# Allegro board BeagleBone_Green_v1.brd (continued)
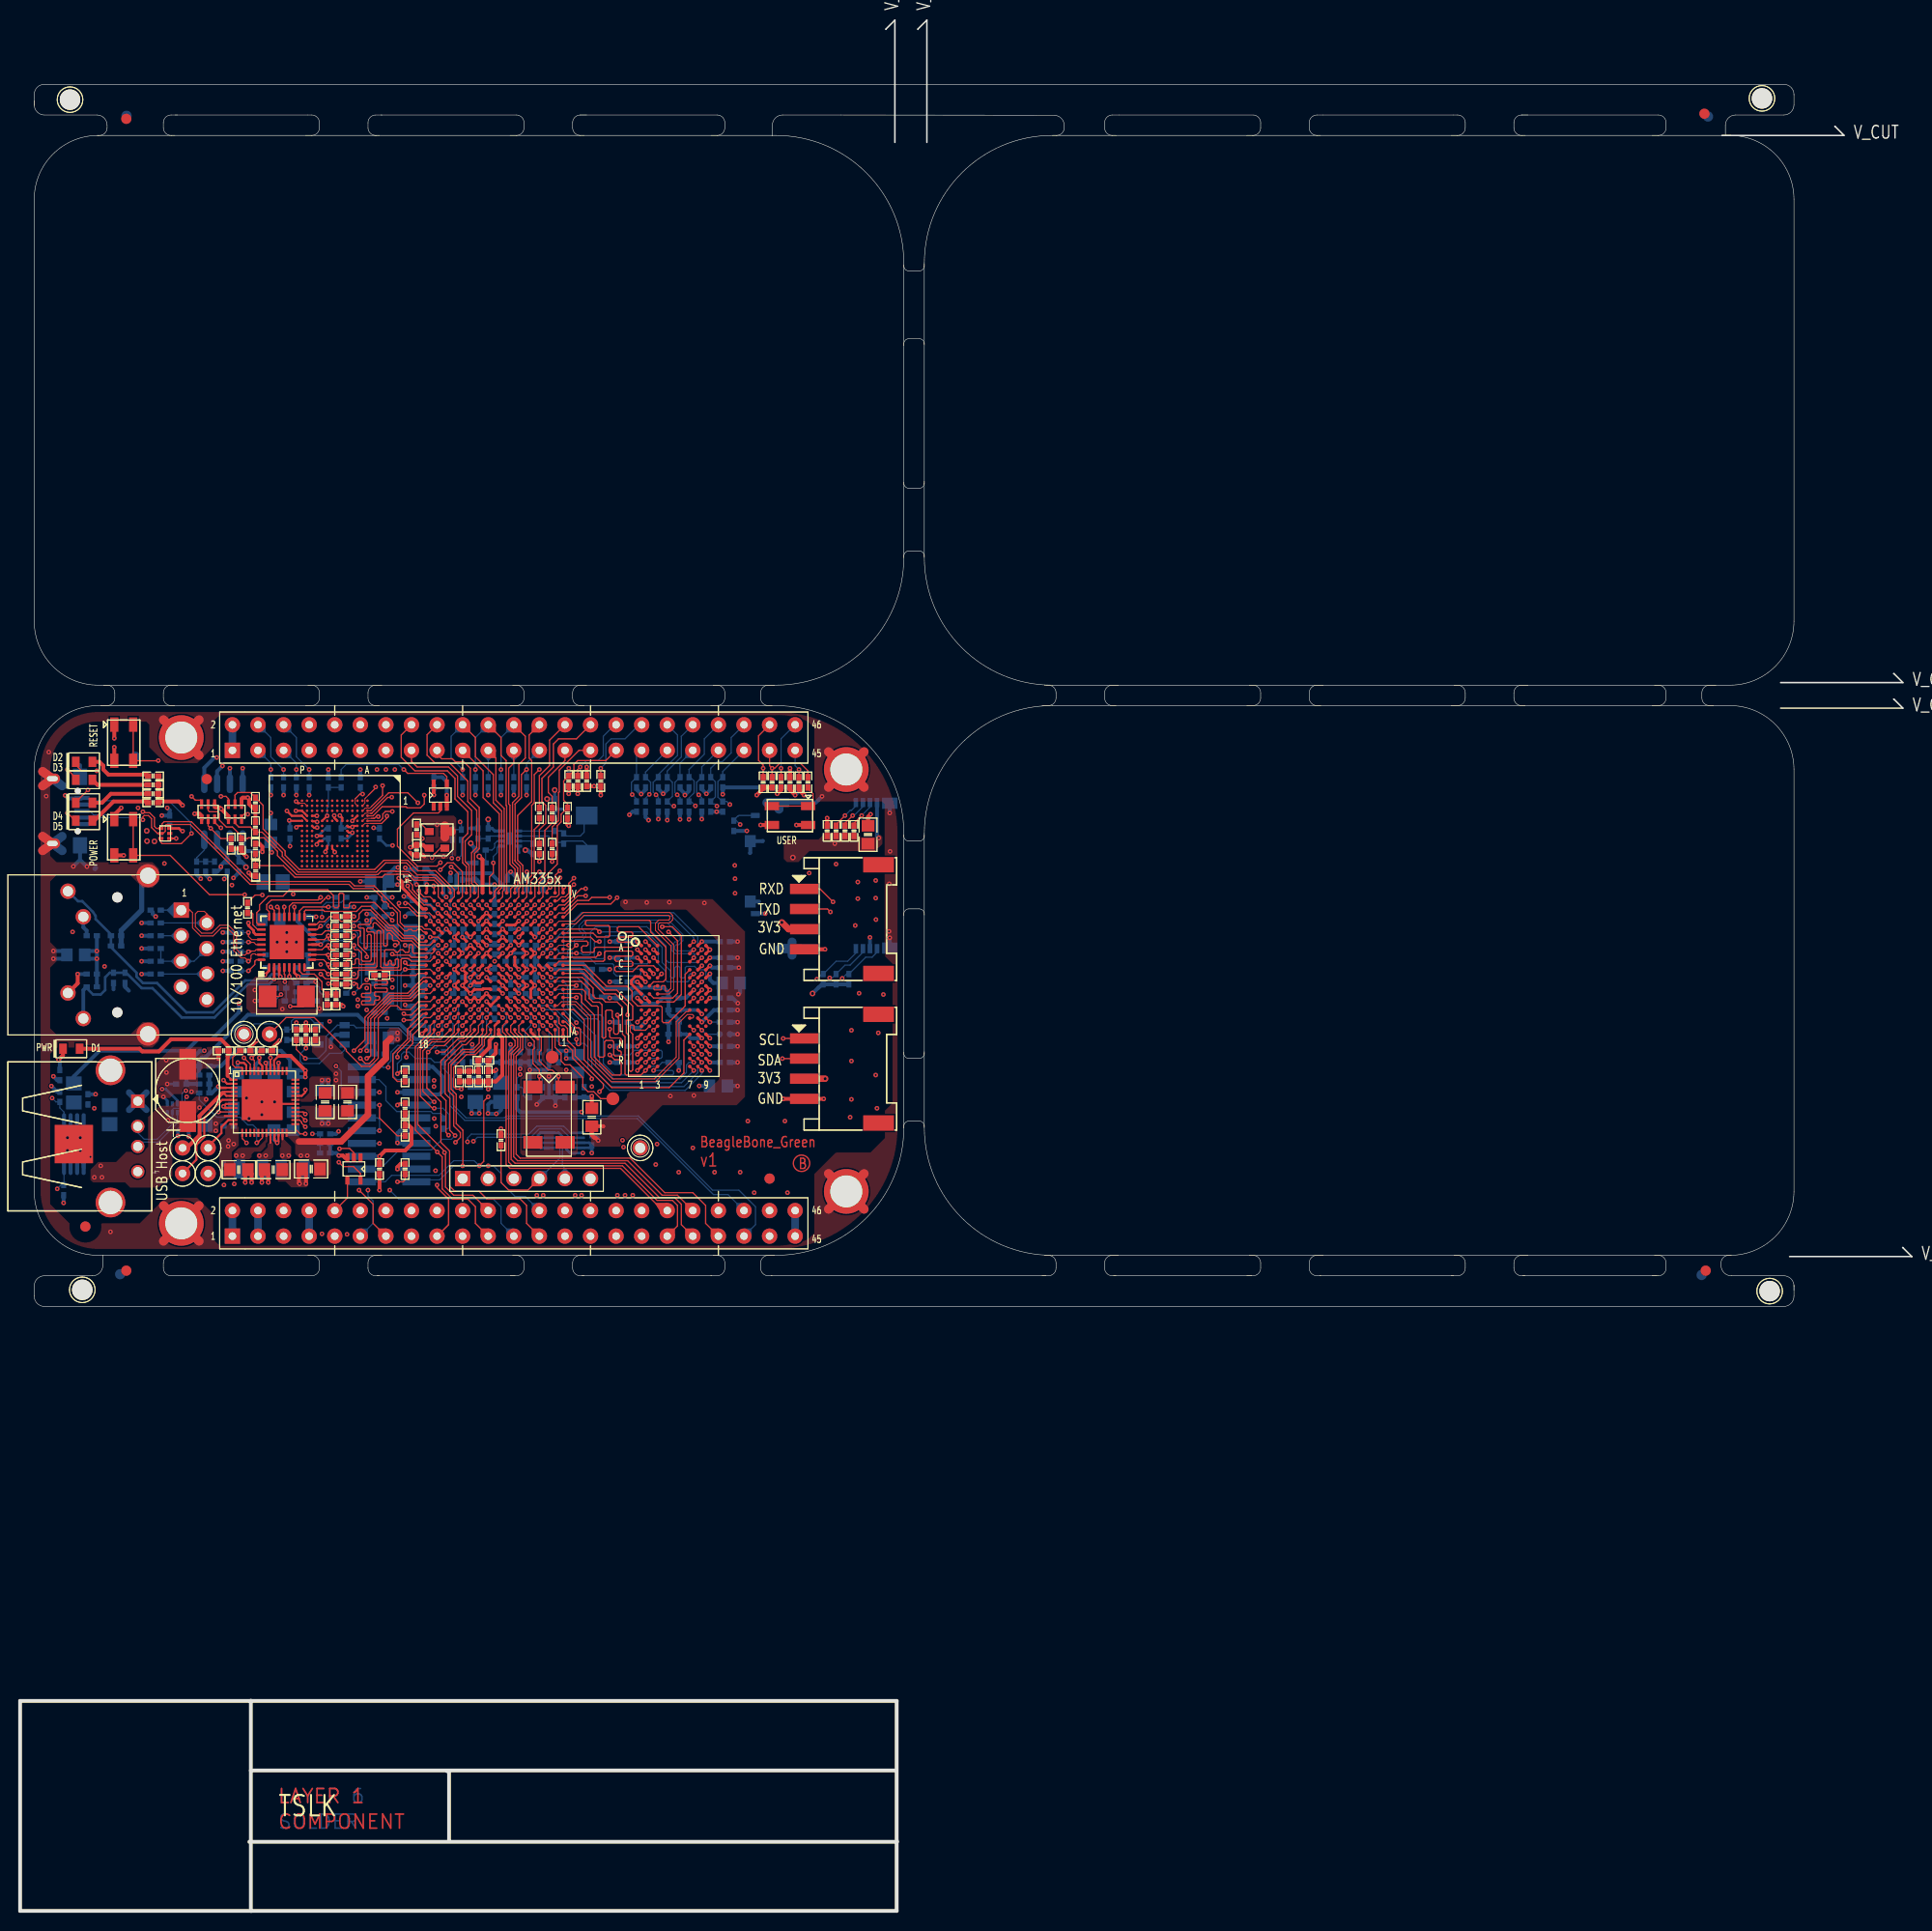
[diagram p0: board, top side]
## Routing (per net, layer and track width the routed paths; a pad name or vN(x,y) marks a point on that pad's centre or on a via; arc(x,y) is an arc through that point) (continued)
  TOP w0.254: v1(29.84,95.99) 29.4,95.99 U14.12
  TOP w0.381: C29.1 v1(35.69,74.97) 36.26,75.54 38.23,75.54 38.86,76.17 38.86,77.76 38.61,78.02 R23.1 38.23,79.22 ; R119.1 v1(33.15,98.78)
  TOP w0.635: J4.3 v2(79.94,82.67) ; J5.3 76.31,97.53 v2(75.64,98.2)
  LYR3 w0.381: v1(56.77,75.29) 56.77,74.78 56.47,74.48 48.31,74.48 47.6,75.18 42.85,75.18 42.45,74.78 41.02,74.78 40.83,74.97 v1(35.69,74.97)
  LYR4 w0.381: v1(56.77,75.29) 56.77,77.19 55.75,78.21 v1(55.75,79.36)
  LYR4 w0.635: v2(76.73,104.65) 75.64,103.56 v2(75.64,98.2) 75.64,94.18 v2(78.69,91.14) 79.94,89.88 v2(79.94,82.67)
  LYR5_PWR w0.889: 24.36,67.76 P9.3 22.89,67.76 ; P9.4 24.36,68.84 ; P9.4 22.89,70.3 ; P9.4 24.36,70.3 ; P9.4 22.89,68.84
  BOTTOM w0.191: v1(29.84,95.99) 30.25,96.4 32.26,96.4 32.38,96.27 R112.2
  BOTTOM w0.254: C130.1 35.15,107.54 v1(35.1,107.59) ; v1(32.99,107.68) 32.4,107.68 32.27,107.54 C129.1 31.88,108.19 31.95,108.26 31.95,108.62 v1(31.75,108.81) ; U15.7 56.51,76.31 C155.2 56.53,75.81 U15.8 ; v1(26.72,108.33) 26.8,108.25 C127.1 ; v1(29.46,105.94) 29.46,105.95 29.46,106.03 29.72,106.29 29.97,106.29 30.21,106.53 C128.1 30.61,105.88 30.49,105.77 30.49,105.52 30.33,105.36 30.33,105.22 v1(30.32,105.21)
  BOTTOM w0.381: C155.2 v1(56.77,75.29) ; R106.1 v1(45.21,110.85) ; v1(85.28,106.59) 85.09,106.78 P10.4 ; R109.1 v1(43.94,110.85) ; U4.3 19.56,105.89 20.57,104.88 C20.1 20.32,104.24 19.94,103.86 v1(19.94,103.73) 19.94,103.61 19.56,103.23 R11.1 ; R111.1 v1(30.61,113.39) ; R108.1 v1(26.16,110.85) ; v1(55.75,79.36) 55.74,79.35 49.66,79.35 49.34,79.67 R163.1 ; R104.1 v1(28.7,110.85) ; R110.1 v1(46.48,110.85) ; C135.1 27.56,98.28 v1(29.84,95.99) ; R103.1 v1(27.43,110.85) ; v1(72.16,107.29) R157.2 ; R105.1 v1(49.02,110.85) ; R101.1 v1(50.29,110.85) ; R102.1 v1(47.75,110.85) ; C126.2 v1(24.89,109.07) ; v2(78.69,91.14) 79.27,91.72 79.3,91.72 79.63,92.05 R154.1 R153.1 R152.1 ; P2.5 v1(35.69,74.97) ; R114.2 R112.2 ; R119.1 v1(33.15,98.78) ; R107.1 v1(24.89,110.85)
  BOTTOM w0.762: P9.3 P9.4
  vias: v1(27.11,101) v1(80.9,106.02)
VDD_5V: length 8.1
  TOP w0.203: U2.10 20.32,78.97
  LYR4 w0.889: P9.5 26.9,67.76 ; P9.5 25.43,67.76 ; P9.5 26.9,66.3 ; 25.43,68.84 P9.6 ; P9.6 25.43,70.3 ; P9.6 26.9,70.3 ; P9.6 26.9,68.84
  vias: v1(19.43,78.21) v1(19.43,77.5)
VDD_ADC: length 33.1
  TOP w0.254: v1(48.72,89.54) U5.D8
  TOP w0.381: v1(47.24,86.08) 47.24,86.07 47.24,85.22 R27.1 46.48,84.46 C93.1 47.12,83.41 v1(47.24,83.54)
  LYR3 w0.381: v1(48.72,89.54) 48.11,90.14 47.62,90.14 47.24,89.76 v1(47.24,86.08)
  LYR4 w0.381: v1(47.24,83.54) 47.24,82.3 49.78,79.76 49.78,76.43 51.36,74.85 54.48,74.85 55.47,73.86 57.05,73.86 58.55,72.37 58.55,70.21 P9.32
  BOTTOM w0.381: FB2.1 47.75,82.27 47.24,82.78 v1(47.24,83.54)
VDD_CORE: length 46.3
  TOP w0.254: U5.N13 v1(44.72,96.74) U5.N12 ; U5.G10 v1(46.32,92.74) ; U5.G6 v1(50.32,91.94) U5.F6 ; U5.K12 v1(45.52,95.14) ; U5.K8 v1(48.72,95.14) U5.L7 ; U5.N8 v1(47.92,97.54) U5.N9 ; U5.H11 v1(45.52,92.74) ; U5.L6 v1(50.32,95.14) U5.K6 ; v1(47.92,95.94) U5.L9 ; U5.J12 v1(44.72,93.54) ; v1(48.72,95.94) U5.L8 ; v1(49.52,91.94) U5.G7 ; U5.M11 v1(46.32,95.94) ; U5.F7 v1(49.52,91.14) ; U5.M13 v1(43.92,96.74)
  LYR4 w0.508: v1(29.97,78.21) v1(30.61,78.21) 32.51,80.11 32.51,83.92 32.13,84.3 32.13,87.3 33.53,88.7 v1(33.53,89.89) v1(33.53,90.53)
  BOTTOM w0.305: C42.1 47.22,97.94 47.52,97.94 v1(47.92,97.54) ; v1(47.92,95.94) 47.23,95.94 C47.1 47.01,95.94 v1(46.32,95.94) ; v1(45.52,92.74) v1(44.72,93.54) 45.01,93.83 C46.1 45.01,94.63 v1(45.52,95.14) ; v1(44.72,96.74) v1(43.92,96.74) 43.92,97.43 C41.1 ; v1(50.32,91.94) v1(49.52,91.94) v1(49.52,91.14) 48.83,91.14 C50.1 ; C43.1 v1(48.72,95.94) ; C49.1 46.42,92.63 v1(46.32,92.74) ; C48.1 48.32,94.44 U5.K8 v1(48.72,95.14) v1(50.32,95.14) ; C45.1 40.26,94.97 41.22,95.94 v1(41.52,95.94)
  BOTTOM w0.381: v1(40.72,91.94) C54.1 C44.1 ; v1(29.97,78.21) v1(30.61,78.21) 30.61,78.91 L3.2 29.97,78.91 v1(29.97,78.21)
  vias: v1(36.96,92.49) v1(36.96,91.73)
VDD_MPU: length 28.7
  TOP w0.254: U5.J13 v1(43.92,93.54) U5.H13 44.21,93.03 44.21,92.44 U5.G13 v1(43.92,91.94) U5.F13 v1(44.72,91.14) U5.F12 U5.F11 45.98,91.6 46.65,91.6 U5.F10
  TOP w0.635: 27.69,76.43 31.88,76.43 34.54,79.1 34.54,82.91 36.32,84.68 36.32,86.21 36.8,86.69
  BOTTOM w0.305: C63.1 44.82,91.03 v1(44.72,91.14)
  BOTTOM w0.381: C62.2 36.7,86.59 v1(37.48,86.59) v1(37.48,87.22) 36.83,87.22 36.58,86.97 C62.2 ; C62.2 36.2,86.33 C64.1 ; v1(43.92,93.54) 44.02,93.64 C65.1
  vias: v1(27.88,75.03) v1(28.51,75.03)
VDD_MPUON: length 10.6
  TOP w0.121: U5.A2 53.12,85.8 53.72,85.19 53.72,84.43 54.1,84.05 54.61,84.05 55.88,82.78 55.88,81.89 56.39,81.38 56.97,81.38 57.66,80.68 TP2.1
VDD_PHYA: length 6.9
  TOP w0.254: U14.1 24.73,93.41 v1(24.31,92.99) ; v1(22.67,98.15) 22.67,97.89 23.18,97.38 23.18,97.21 23.39,96.99 U14.27
  BOTTOM w0.381: R123.2 v1(20.13,97.19) ; R120.2 v1(20.13,94.34) ; R121.2 v1(20.13,95.29) ; R122.2 v1(20.13,96.24) ; R137.2 v1(12.06,94.34)
VDD_PLL: length 12.9
  TOP w0.254: v1(49.52,90.34) U5.E7 ; U5.R10 46.72,98.75 v1(46.32,99.14) U5.R11 v1(45.52,98.34) ; U5.H15 v1(42.32,92.74)
  LYR3 w0.381: v1(46.32,99.14) v1(45.52,98.34) 44.69,97.51 43.05,97.51 42.62,97.08 42.61,97.08 42.54,97.01 41.5,97.01 41.25,96.75 41.25,96.52 40.91,96.18 40.47,96.18 v1(39.92,96.74)
  BOTTOM w0.305: C94.1 v1(45.52,98.34)
  BOTTOM w0.635: FB1.2 39.32,96.74 v1(39.92,96.74)
VDD_RTC: length 5.4
  TOP w0.254: v1(50.32,89.54) U5.D6
  BOTTOM w0.121: v1(50.32,89.54) 50.72,89.13 50.72,88.67 50.72,87.99 50.15,87.42 50.15,85.78 C104.1
VDDS: length 45.9
  TOP w0.254: U5.N6 v1(49.52,96.74) ; v1(44.72,95.14) U5.K13 ; v1(47.92,91.14) U5.F9 ; U5.E6 v1(50.32,90.34) ; v1(47.92,98.34) U5.P9 ; U5.E14 v1(43.12,90.34) ; v1(43.12,98.34) U5.P14
  LYR5_PWR w0.305: v1(44.72,95.14) 45.26,94.59 46.86,94.59 v1(47.12,94.34)
  BOTTOM w0.121: 42.72,100.39 42.72,98.74
  BOTTOM w0.254: 42.72,98.74 v1(43.12,98.34)
  BOTTOM w0.305: 42.72,100.39 42.85,100.52 42.85,101.3 C80.1
  BOTTOM w0.381: 40.64,87.86 40.64,86.97 40.28,86.6 39.23,86.6 37.72,88.11 34.42,88.11 33.51,89.02 22.62,89.02 18.39,84.79 18.06,84.79 17.78,84.51 R9.1 R8.2 ; C80.1 43.03,101.43 43.31,101.7 43.31,102.86 43.53,103.08 46.74,103.08 47.75,102.07 47.75,101.91 48,101.66 48.04,101.66 48.15,101.56 48.15,101.43
VDDS_DDR: length 54.9
  TOP w0.254: v1(62.1,95.49) U12.B2 ; v1(67.7,96.29) U12.A8 ; v1(68.5,84.29) U12.R9 ; v1(61.3,96.29) U12.A1 ; v1(66.9,91.49) U12.G7 ; v1(68.5,93.89) U12.D9 ; v1(62.9,93.09) U12.D2 ; v1(61.3,85.89) U12.N1 ; v1(68.5,94.69) U12.C9 ; U5.E5 U5.F5 v1(51.12,91.94) U5.G5 ; v1(68.5,90.69) U12.H9 ; v1(68.5,93.09) U12.E9 ; U5.H5 v1(51.12,93.54) U5.J5 ; U5.K5 v1(51.12,95.14) U5.L5 ; v1(62.1,88.29) U12.K2 ; v1(61.3,92.29) U12.F1 ; v1(68.5,85.89) U12.N9 ; v1(67.7,88.29) U12.K8 ; v1(61.3,94.69) U12.C1 ; v1(61.3,84.29) U12.R1
  TOP w0.305: v1(62.1,90.69) U12.H2
  TOP w0.381: v1(24,72.36) 24,73.38 C9.2 24.64,73.25 v1(24.64,72.36) ; C96.2 v1(56.77,80.94)
  BOTTOM w0.305: C100.1 51.12,91.24 v1(51.12,91.94) 51.12,92.63 C99.1 51.12,92.84 v1(51.12,93.54) 51.12,94.23 C98.1 51.12,94.44 v1(51.12,95.14) 51.12,95.83 C97.1
  BOTTOM w0.381: v1(66.9,91.49) 66.1,90.69 R98.1 ; v1(61.3,94.69) C108.1 ; C111.1 60.88,87.73 61.54,87.73 v1(62.1,88.29) ; C102.1 C103.1 56.64,80.81 v1(56.77,80.94) ; v1(54.23,85.45) 53.59,85.45 C101.1 ; v1(54.23,85.45) v1(54.23,84.68) 54.99,84.68 C95.2 54.99,85.45 v1(54.23,85.45) ; C122.2 v1(67.44,81.95) ; R97.1 v1(65.41,83.49) ; C116.1 68.69,93.7 v1(68.5,93.89) ; C119.1 68.9,89.49 v1(67.7,88.29) ; v1(61.3,85.89) C112.1 ; C114.1 v1(67.7,96.29) ; v1(68.5,90.69) C117.1 69.37,90.79 69.37,91.64 69.72,92 C118.2 68.83,92.18 68.5,92.51 v1(68.5,93.09) ; C107.1 v1(61.3,96.29) ; C110.1 60.55,90.69 61.08,91.22 61.52,91.22 61.53,91.21 61.58,91.21 v1(62.1,90.69) ; C113.1 v1(61.3,84.29) ; C109.1 v1(61.3,92.29) ; v1(68.5,84.29) C121.1 ; v1(68.5,94.69) C115.1 ; v1(68.5,85.89) C120.1
  vias: v1(20.24,72.11) v1(21.26,72.21) v1(51.31,71.09) v1(51.94,71.09) v1(55.12,71.09) v1(55.75,71.09) v1(59.31,71.09) v1(60.07,71.09) v1(60.83,71.09)
AIN0: length 38.3
  TOP w0.121: P9.39 68.07,68.3 68.07,70.08 66.8,71.35 64.01,71.35 60.58,74.78 49.66,74.78 49.26,75.18 49.26,84.92 49.91,85.57 49.91,86.89 49.52,87.29 49.52,87.94 U5.B6
AIN1: length 32
  TOP w0.121: v1(49.52,88.73) U5.C7
  LYR4 w0.133: P9.40 67.69,71.22 63.6,71.22 58.93,75.9 58.93,81.51 56.16,84.28 54,84.28 52.58,85.7 51.82,85.7 49.91,87.6 49.91,88.34 v1(49.52,88.73)
AIN2: length 36.8
  TOP w0.121: U5.B7 48.72,87.94 48.72,87.33 49.4,86.64 49.4,85.83 48.76,85.19 48.76,74.66 49.15,74.27 60.07,74.27 63.5,70.84 65.02,70.84 65.66,70.21 65.66,68.17 P9.37
AIN3: length 33.1
  TOP w0.121: P9.38 65.28,71.09 63.75,71.09 60.32,74.52 49.4,74.52 49.01,74.92 49.01,85.05 49.66,85.71 49.66,86.76 49.12,87.31 U5.A7
AIN4: length 31.1
  TOP w0.121: U5.C8 v1(48.72,88.73)
  LYR4 w0.133: P9.33 62.99,68.3 62.99,71.15 58.55,75.59 58.55,81.45 56.2,83.79 54.74,83.79 54.59,83.95 53.93,83.95 52.56,85.32 50.67,85.32 49.53,86.46 49.53,87.92 v1(48.72,88.73)
AIN5: length 32.4
  TOP w0.121: P9.36 63.83,69.57 59.64,73.76 48.64,73.76 48.26,74.14 48.26,86.97 47.92,87.31 47.92,87.94 U5.B8
AIN6: length 35.8
  TOP w0.121: P9.35 65.28,68.05 65.28,70.08 64.77,70.59 63.25,70.59 59.82,74.02 48.89,74.02 48.51,74.4 48.51,85.32 49.15,85.95 49.15,86.46 48.32,87.29 U5.A8
AIN7: length 10.4
  TOP w0.121: U5.C9 v1(47.92,88.74)
  LYR4 w0.133: v1(47.92,88.73) 49.15,87.5 49.15,83.54 49.56,83.13 49.63,83.13 v1(49.66,83.1)
  BOTTOM w0.121: R164.1 50.16,80.81 49.97,81 49.97,81.64 49.78,81.83 R163.2 49.34,82.72 49.66,83.03 v1(49.66,83.1)
B_UART0_RX: length 13.6
  TOP w0.121: J1.4 50.42,71.6 48.51,71.6 47.75,72.36 R165.1
  BOTTOM w0.121: J1.4 53.59,74.78 53.59,76.05 53.33,76.31 U15.2
B_UART0_TX: length 5.2
  BOTTOM w0.121: J1.5 54.1,73.76 53.85,74.02 53.85,76.3 53.35,76.8 U15.3
CAP_VBB_MPU: length 4.2
  TOP w0.121: v1(46.32,88.73) 46.33,88.75 U5.C10
  BOTTOM w0.121: C91.1 46.8,87.54 46.32,88.02 v1(46.32,88.73)
CAP_VDD_SRAM_CORE: length 5.2
  TOP w0.121: U5.D9 v1(47.92,89.54)
  BOTTOM w0.121: v1(47.92,89.54) 48.32,89.13 48.32,88.17 47.75,87.6 C89.1
CAP_VDD_SRAM_MPU: length 5
  TOP w0.121: v1(45.52,89.54) U5.D11
  BOTTOM w0.121: C90.1 45.92,85.39 45.92,89.13 v1(45.52,89.54)
CLKOUT2: length 55.5
  BOTTOM w0.121: P9.41 73.03,68.17 73.03,69.95 71.37,71.6 68.75,71.6 61.39,78.96 48.28,78.96 48.1,78.78 44.28,78.78 42.99,80.07 42.99,82.72 43.94,83.67 R20.1 R19.2 42.48,84.81 42.48,85.76 42.29,85.95 41.53,85.95 41.29,85.72 37.68,85.72 37.07,85.1 37.07,82.92 37.4,82.59 P2.18
CLKOUT_SRC: length 5.1
  TOP w0.121: U5.D14 v1(43.12,89.54)
  BOTTOM w0.121: v1(43.12,89.54) 42.72,89.13 42.72,88.39 42.99,88.11 R19.1
CRS: length 2.7
  TOP w0.121: U14.14 29.95,96.99 30.32,97.36 30.91,97.36 R139.2
DDR_A0: length 23.9
  TOP w0.121: U5.F3 v1(52.72,91.14) ; v1(62.9,85.89) U12.N3
  LYR3 w0.133: v1(62.9,85.89) 63.21,86.21 63.37,86.21 63.75,85.83 63.75,83.03 62.99,82.27 58.42,82.27 56.26,84.43 56.26,84.68 54.61,86.33 54.61,88.11 54.74,88.24 v1(55.24,88.24)
  BOTTOM w0.121: v1(55.24,88.24) 53.98,89.51 53.98,91.29 53.72,91.54 53.12,91.54 v1(52.72,91.14)
DDR_A1: length 24.1
  TOP w0.121: U5.H1 55.94,93.14 57.98,91.1 59.12,91.1 60.32,89.89 v1(60.32,89) ; v1(66.9,85.09) U12.P7
  LYR3 w0.121: 63.07,88.69 61.9,88.69 61.59,89
  LYR3 w0.133: 63.07,88.69 63.18,88.69 63.63,88.24 64.01,88.24 65.28,86.97 65.28,85.95 64.9,85.57 64.9,84.02 65.02,83.9 65.79,83.9 65.91,84.02 65.91,84.18 65.79,84.3 65.41,84.3 65.28,84.43 65.28,85.32 65.41,85.45 65.53,85.45 65.66,85.32 65.66,84.81 65.79,84.68 66.04,84.68 66.17,84.81 66.17,85.32 66.29,85.45 66.54,85.45 v1(66.9,85.09) ; v1(60.32,89) 60.33,89 61.59,89
DDR_A2: length 23.9
  TOP w0.121: v1(62.9,85.09) U12.P3 ; U5.E4 v1(51.92,90.34)
  LYR3 w0.121: v1(62.9,85.09) 62.5,85.49 62.5,87.21
  LYR3 w0.133: v1(51.92,90.34) 51.92,90.11 52.52,89.51 55.75,89.51 56.52,90.27 56.52,91.16 55.65,92.02 55.65,92.2 55.9,92.45 56.11,92.45 58.04,90.53 58.04,89.51 58.17,89.38 58.8,89.38 58.9,89.28 58.9,88.85 58.8,88.75 58.17,88.75 58.04,88.62 58.04,87.22 58.17,87.1 60.45,87.1 60.83,87.48 62.23,87.48 62.5,87.21
DDR_A3: length 24
  TOP w0.121: v1(62.1,85.89) U12.N2 ; v1(52.72,88.73) U5.C3
  LYR3 w0.121: v1(62.1,85.89) 61.7,86.29 61,86.29
  LYR3 w0.133: 61,86.29 60.96,86.33 57.4,86.33 57.28,86.46 57.28,89.56 57.2,89.64 56.97,89.64 56.9,89.56 56.9,87.32 56.82,87.25 56.46,87.25 56.39,87.17 56.39,86.79 56.31,86.72 56.08,86.72 56.01,86.79 56.01,87.17 55.93,87.25 55.77,87.25 55.69,87.32 55.69,87.53 55.77,87.6 56.44,87.6 56.52,87.68 56.52,87.91 56.44,87.99 55.77,87.99 55.69,88.06 55.69,88.29 55.77,88.37 56.44,88.37 56.52,88.44 56.52,88.66 56.44,88.73 54.36,88.73 54.23,88.61 54.23,87.48 54.1,87.35 53.85,87.35 53.72,87.48 53.72,88.61 53.59,88.73 v1(52.72,88.73)
DDR_A4: length 23.9
  TOP w0.121: U5.C2 53.51,88.74 53.51,88.18 53.75,87.94 54.08,87.94 54.36,87.66 54.36,86.46 55.12,85.7 55.12,84.94 57.91,82.14 57.91,81.76 v1(57.53,81.38) ; v1(67.7,85.09) U12.P8
  LYR3 w0.121: 66.68,84.69 67.3,84.69 v1(67.7,85.09)
  LYR3 w0.133: v1(57.53,81.38) 57.78,81.13 63.75,81.13 64.52,81.89 66.17,81.89 66.42,82.14 66.42,84.43 66.68,84.69
DDR_A5: length 23.9
  TOP w0.121: v1(62.1,85.09) U12.P2 ; U5.B1 54.13,88.34 54.74,87.73 54.74,87.35 54.86,87.22 v1(55.24,87.22)
  LYR3 w0.121: 62.48,83.29 62.5,83.3 62.5,84.69 v1(62.1,85.09)
  LYR3 w0.133: 62.48,83.29 62.23,83.03 60.83,83.03 60.71,83.16 60.71,85.83 60.58,85.95 59.18,85.95 59.05,85.83 59.05,83.54 58.93,83.41 58.29,83.41 58.04,83.67 58.04,85.83 57.91,85.95 57.66,85.95 57.53,85.83 57.53,84.81 57.4,84.68 57.15,84.68 57.02,84.81 57.02,86.77 56.95,86.84 56.72,86.84 56.64,86.77 56.64,86.16 56.57,86.08 55.94,86.08 55.69,86.33 55.69,86.78 v1(55.24,87.22)
DDR_A6: length 24.1
  TOP w0.121: v1(51.12,89.54) U5.D5 ; v1(67.7,84.29) U12.R8
  BOTTOM w0.121: v1(51.12,89.54) 51.52,89.93 52.79,89.93 54.99,87.73 55.37,87.73 56.77,86.33 56.77,83.79 58.67,81.89 65.91,81.89 67.3,83.27 67.3,83.89 v1(67.7,84.29)
DDR_A7: length 24.1
  TOP w0.121: v1(58.55,85.04) 59.03,84.56 59.56,84.56 59.69,84.43 59.69,83.16 59.56,83.03 58.8,83.03 57.02,84.81 57.02,89 55.75,90.27 55.75,90.91 55.52,91.14 53.52,91.14 U5.E2 ; v1(62.1,84.29) U12.R2
  BOTTOM w0.121: v1(62.1,84.29) U12.R2 63.63,84.69 63.75,84.82 63.75,85.36 63.63,85.49 61,85.49 60.55,85.04 v1(58.55,85.04)
DDR_A8: length 23.9
  TOP w0.121: v1(67.7,83.49) U12.T8 ; v1(51.92,89.54) U5.D4
  BOTTOM w0.121: v1(67.7,83.49) 67.7,83.17 66.04,81.51 58.55,81.51 56.39,83.67 56.39,85.81 56.01,86.19 53.59,86.19 53.34,86.44 53.34,88.87 52.68,89.54 v1(51.92,89.54)
DDR_A9: length 24
  TOP w0.121: U5.C1 54.48,88.57 54.48,88.44 55.19,87.73 55.5,87.73 55.64,87.59 55.64,86.07 55.53,85.95 55.36,85.95 55.24,86.07 v1(55.24,86.59) ; v1(62.9,84.29) U12.R3
  LYR3 w0.133: v1(62.9,84.29) 62.9,84.56 63.02,84.68 63.25,84.68 63.37,84.56 63.37,83.16 62.87,82.65 60.32,82.65 60.2,82.78 60.2,85.45 60.07,85.57 59.69,85.57 59.56,85.45 59.56,82.78 59.44,82.65 58.55,82.65 56.64,84.56 56.64,85.45 56.39,85.7 55.75,85.7 55.24,86.21 v1(55.24,86.59)
DDR_A10: length 24
  TOP w0.121: U5.F4 v1(51.92,91.14) ; v1(66.9,87.49) U12.L7
  LYR3 w0.121: 53.08,91.54 52.32,91.54 v1(51.92,91.14)
  LYR3 w0.133: v1(66.9,87.49) 67.18,87.78 67.18,87.99 67.06,88.11 66.17,88.11 66.04,88.24 66.04,88.49 66.17,88.62 67.06,88.62 67.18,88.75 67.18,89 67.06,89.13 65.79,89.13 63.75,91.16 60.71,91.16 59.12,92.75 58.23,92.75 57.14,93.83 53.98,93.83 53.59,93.45 53.59,92.05 53.08,91.54
DDR_A11: length 23.9
  TOP w0.121: U5.F2 53.52,91.94 v1(55.24,91.94) ; v1(66.9,84.29) U12.R7
  BOTTOM w0.121: v1(66.9,84.29) 66.42,84.29 66.17,84.04 66.17,83.29 65.53,82.65 58.93,82.65 57.53,84.05 57.53,88.37 57.28,88.62 56.01,88.62 54.74,89.89 54.74,91.43 v1(55.24,91.94)
DDR_A12: length 24.1
  TOP w0.121: v1(52.72,90.34) U5.E3 ; v1(66.9,85.89) U12.N7
  LYR3 w0.133: v1(52.72,90.34) 52.78,90.27 55.5,90.27 55.75,90.53 55.75,90.91 55.5,91.16 54.61,91.16 54.36,91.41 54.36,92.81 54.61,93.07 56.52,93.07 58.04,91.54 59.31,91.54 60.95,89.9 62.62,89.9 62.87,90.14 63.63,90.14 65.28,88.49 65.28,87.51 v1(66.9,85.89)
DDR_A13: length 24
  TOP w0.121: U5.H3 v1(52.72,92.74) ; v1(62.9,83.49) U12.T3
  BOTTOM w0.121: v1(62.9,83.49) 64.77,83.49 64.9,83.36 64.9,83.16 64.77,83.03 59.05,83.03 57.91,84.18 57.91,88.75 57.66,89 56.13,89 55.75,89.38 55.75,92.3 55.32,92.74 v1(52.72,92.74)
DDR_A14: length 24
  TOP w0.121: v1(66.9,83.49) U12.T7 ; v1(51.92,92.74) U5.H4
  BOTTOM w0.121: v1(66.9,83.49) 65.68,82.27 58.8,82.27 57.15,83.92 57.15,86.97 54.36,89.76 54.36,91.92 53.94,92.34 52.29,92.34 51.92,92.71 v1(51.92,92.74)
DDR_A15: length 24
  TOP w0.121: U12.M7 65.91,86.51 65.91,83.24 64.47,81.79 58.75,81.79 56.01,84.53 56.01,88.49 54.97,89.53 52.72,89.53 U5.D3
DDR_BA0: length 24.1
  TOP w0.121: U5.C4 v1(51.92,88.73) ; v1(62.1,86.69) U12.M2
  LYR3 w0.121: 51.52,87.6 51.52,88.61 51.64,88.73 v1(51.92,88.73) ; 52.32,88.87 52.32,87.6
  LYR3 w0.133: v1(62.1,86.69) 62.1,86.97 61.97,87.1 60.96,87.1 60.58,86.72 58.04,86.72 57.66,87.1 57.66,90.4 57.18,90.88 56.99,90.88 56.9,90.78 56.9,90.14 55.89,89.14 52.44,89.14 52.32,89.01 52.32,88.87 ; 51.52,87.6 51.52,86.59 51.64,86.46 51.82,86.46 51.94,86.59 51.94,86.97 52.07,87.1 52.32,87.1 52.45,86.97 52.45,86.59 52.58,86.46 52.83,86.46 52.96,86.59 52.96,87.35 52.83,87.48 52.44,87.48 52.32,87.6
DDR_BA1: length 24.1
  TOP w0.121: v1(67.7,85.89) U12.N8 ; U5.E1 v1(55.24,90.74)
  LYR3 w0.133: v1(67.7,85.89) 67.22,86.37 67.22,86.78 67.06,86.94 66.45,86.94 65.63,87.76 65.63,88.65 63.5,90.78 62.74,90.78 62.61,90.65 62.61,90.4 62.48,90.27 61.09,90.27 59.47,91.88 58.33,91.88 56.77,93.45 54.23,93.45 53.98,93.19 53.98,91.67 53.72,91.41 53.72,91.03 54.02,90.74 v1(55.24,90.74)
DDR_BA2: length 24.1
  TOP w0.121: v1(52.72,87.93) U5.B3 ; v1(62.9,86.69) U12.M3
  LYR3 w0.133: v1(62.9,86.69) 63.37,86.69 63.5,86.82 63.5,87.22 63.63,87.35 63.88,87.35 64.14,87.1 64.14,86.72 63.88,86.46 63.88,86.21 64.14,85.95 64.14,82.65 63.37,81.89 58.29,81.89 55.88,84.3 55.88,84.56 54.1,86.33 53.91,86.33 53.78,86.21 53.78,85.95 53.66,85.83 53.47,85.83 53.34,85.95 53.34,88.11 53.21,88.24 53.02,88.24 v1(52.72,87.93)
DDR_CASN: length 24
  TOP w0.121: U5.F1 55.88,91.54 56.13,91.28 56.13,90.53 56.77,89.89 57.28,89.89 57.4,89.76 57.4,84.94 57.53,84.81 57.91,84.81 58.04,84.94 58.04,86.33 58.17,86.46 58.82,86.46 58.95,86.33 58.95,85.06 59.07,84.94 59.56,84.94 59.69,85.06 59.69,85.32 59.56,85.45 59.44,85.45 59.31,85.57 59.31,85.83 59.44,85.95 59.56,85.95 59.69,86.08 59.69,86.59 59.56,86.72 58.67,86.72 58.55,86.84 v1(58.55,87.6) ; v1(62.9,88.29) U12.K3
  LYR3 w0.133: v1(58.55,87.6) 60.45,87.6 60.71,87.86 62.46,87.86 v1(62.9,88.29)
DDR_CKE: length 25.1
  TOP w0.121: v1(68.5,88.29) U12.K9 ; U5.G3 v1(52.72,91.94)
  LYR3 w0.133: v1(68.5,88.29) 68.71,88.5 68.71,89.38 68.58,89.51 66.04,89.51 64.01,91.54 60.83,91.54 59.31,93.07 58.42,93.07 57.28,94.21 54.61,94.21 54.23,94.59 52.58,94.59 52.45,94.46 52.45,94.21 52.58,94.08 53.09,94.08 53.21,93.95 53.21,92.43 v1(52.72,91.94)
  BOTTOM w0.121: R96.2 v1(68.5,88.29)
DDR_CLK: length 24
  TOP w0.095: U5.D2 53.37,89.94 53.76,90.32 55.19,90.32 56.67,88.85 56.67,84.8 58.82,82.65 62.98,82.65 65.15,84.82 65.15,88.34 66.14,89.33 66.33,89.33 U12.J7
DDR_CLKN: length 24
  TOP w0.095: U12.K7 66.77,88.69 66.87,88.79 66.87,88.94 66.77,89.05 66.25,89.05 65.43,88.23 65.43,84.71 63.09,82.37 58.7,82.37 56.39,84.68 56.39,88.73 55.08,90.04 54.02,90.04 U5.D1
DDR_CSN: length 23.9
  TOP w0.121: U5.H2 53.52,93.54 56.04,93.54 58.1,91.48 59.25,91.48 60.83,89.89 60.83,88.57 60.76,88.49 60.27,88.49 60.2,88.42 60.2,87.22 60.45,86.97 60.45,83.54 60.57,83.41 60.71,83.41 60.83,83.54 60.83,87.1 60.58,87.35 60.58,87.91 60.66,87.99 60.88,87.99 60.96,87.91 60.96,87.56 61.04,87.49 62.09,87.49 U12.L2
DDR_D0: length 23.3
  TOP w0.121: v1(52.72,96.74) U5.M3 ; v1(63.7,93.09) U12.E3
  LYR3 w0.133: v1(52.72,96.74) 53.07,96.74 54.36,98.02 61.85,98.02 65.15,94.72 65.15,92.56 65.02,92.43 64.52,92.43 64.39,92.56 64.39,94.84 64.26,94.97 63.82,94.97 63.7,94.84 v1(63.7,93.09)
DDR_D1: length 23.3
  TOP w0.121: v1(51.92,96.74) U5.M4 ; v1(66.9,92.29) U12.F7
  LYR3 w0.121: v1(51.92,96.74) 52.32,96.34 52.32,95.77 52.55,95.54 54.17,95.54 ; v1(66.9,92.29) 67.3,91.89 67.86,91.89 68.1,91.66 68.1,90.87 68.1,90.52 67.87,90.28
  LYR3 w0.133: 54.17,95.54 55.12,94.59 57.66,94.59 58.17,94.08 58.8,94.08 61,91.88 64.3,91.88 66.29,89.9 67.48,89.9 67.87,90.28
DDR_D2: length 23.3
  TOP w0.121: U12.F2 62.9,92.29 63.37,92.29 63.38,92.29 63.86,92.29 64.13,92.56 64.13,95.74 62.61,97.26 62.61,98.27 62.48,98.4 56.26,98.4 56.13,98.27 56.13,98.02 56.26,97.89 58.42,97.89 58.55,97.76 58.55,96.88 58.42,96.75 57.28,96.75 56.89,97.14 U5.N1
DDR_D3: length 23.3
  TOP w0.121: U5.N2 53.52,97.54 57.25,97.54 v1(57.53,97.26) ; v1(67.7,92.29) U12.F8
  BOTTOM w0.121: v1(67.7,92.29) 68.1,92.69 68.1,93.29 67.9,93.49 67.31,93.49 66.97,93.83 66.17,93.83 66.04,93.7 66.04,92.81 65.91,92.68 65.66,92.68 65.53,92.81 65.53,93.7 65.41,93.83 65.15,93.83 65.02,93.7 65.02,92.81 64.9,92.68 64.71,92.68 64.58,92.81 64.58,93.38 63.75,94.21 63.75,95.73 62.23,97.26 v1(57.53,97.26)
DDR_D4: length 23.3
  TOP w0.121: U5.N3 v1(52.72,97.54) ; v1(63.75,97.76) 64.77,97.76 65.66,96.88 65.66,91.03 64.92,90.29 U12.H3
  LYR3 w0.133: v1(63.75,97.76) 62.74,98.78 53.98,98.78 52.73,97.54 v1(52.72,97.54)
DDR_D5: length 23.3
  TOP w0.121: U5.N4 v1(51.92,97.54) ; v1(67.7,90.69) U12.H8
  LYR3 w0.121: 52.97,97.14 52.32,97.14 v1(51.92,97.54)
  LYR3 w0.133: 52.97,97.14 54.23,98.4 62.1,98.4 65.66,94.84 65.66,91.16 66.55,90.27 67.28,90.27 v1(67.7,90.69)
DDR_D6: length 23.3
  TOP w0.121: v1(64.39,97.26) 65.28,96.37 65.28,91.16 64.81,90.69 62.9,90.69 U12.G2 ; U5.P3 v1(52.72,98.34)
  LYR3 w0.133: v1(64.39,97.26) 64.39,97.76 62.99,99.16 53.85,99.16 53.02,98.34 v1(52.72,98.34)
DDR_D7: length 23.3
  TOP w0.121: U5.P4 v1(51.92,98.34) ; v1(66.9,90.69) U12.H7
  LYR3 w0.121: v1(51.92,98.34) 52.32,98.74 53.02,98.74
  LYR3 w0.133: v1(66.9,90.69) 66.17,91.42 66.17,96.62 63.27,99.52 53.8,99.52 53.02,98.74
DDR_D8: length 20.3
  TOP w0.121: U12.D7 66.04,93.03 66.04,89.89 64.39,88.24 63.88,88.24 63.75,88.37 63.75,89.76 63.63,89.89 61.34,89.89 60.77,90.46 60.77,91.35 60.26,91.86 58.23,91.86 56.15,93.94 U5.J1
DDR_D9: length 20.3
  TOP w0.121: v1(57.53,95.1) 57.17,94.74 U5.K1 ; v1(62.9,94.69) U12.C3
  LYR3 w0.133: v1(57.53,95.1) 57.91,95.1 58.04,95.22 58.04,97.13 58.17,97.26 58.93,97.26 59.05,97.13 59.05,94.97 59.18,94.84 59.69,94.84 59.82,94.97 59.82,97.13 59.94,97.26 60.45,97.26 60.58,97.13 60.58,93.95 60.71,93.83 62.77,93.83 62.9,93.95 v1(62.9,94.69)
DDR_D10: length 20.3
  TOP w0.121: v1(55.24,95.14) 53.52,95.14 U5.K2 ; v1(67.7,94.69) U12.C8
  BOTTOM w0.121: v1(67.7,94.69) 67.21,94.21 64.39,94.21 64.14,94.46 64.14,95.86 62.23,97.76 57.15,97.76 56.64,97.26 56.64,95.1 56.52,94.97 55.88,94.97 55.72,95.14 v1(55.24,95.14)
DDR_D11: length 20.1
  TOP w0.121: v1(62.1,94.69) U12.C2 ; v1(52.72,95.14) U5.K3
  BOTTOM w0.121: v1(52.72,95.14) 52.5,94.92 52.5,94.71 52.62,94.59 54.23,94.59 54.36,94.72 54.36,95.35 54.46,95.46 54.69,95.46 54.81,95.34 54.81,94.77 54.99,94.59 56.64,94.59 57.15,94.08 58.83,94.08 58.95,93.96 58.95,93.14 59.21,92.89 61.47,92.89 61.64,93.06 61.64,93.45 61.52,93.57 59.56,93.57 59.44,93.7 59.44,93.95 59.56,94.08 62.27,94.08 62.39,94.2 62.39,94.39 v1(62.1,94.69)
DDR_D12: length 20.2
  TOP w0.121: U5.K4 v1(51.92,95.14) ; v1(66.9,96.29) U12.A7
  BOTTOM w0.121: v1(51.92,95.14) 52.32,95.54 53.34,95.54 53.47,95.41 53.47,95.29 53.59,95.16 53.85,95.16 53.98,95.29 53.98,96.88 55.94,98.84 64.71,98.84 66.9,96.65 v1(66.9,96.29)
DDR_D13: length 20.2
  TOP w0.121: v1(52.72,95.94) U5.L3 ; v1(62.1,96.29) U12.A2
  LYR3 w0.133: v1(52.72,95.94) 53.04,95.94 53.47,96.37 55.63,96.37 55.75,96.24 55.75,95.22 55.88,95.1 56.9,95.1 57.02,95.22 57.02,96.88 56.9,97 54.61,97 54.48,97.13 54.48,97.54 54.61,97.66 61.57,97.66 62.1,97.13 62.1,96.3 v1(62.1,96.29)
DDR_D14: length 20.3
  TOP w0.121: v1(67.7,95.49) U12.B8 ; U5.L4 v1(51.92,95.94)
  BOTTOM w0.121: v1(67.7,95.49) 67.3,95.89 67.3,96.76 64.9,99.16 55.75,99.16 52.93,96.34 52.32,96.34 v1(51.92,95.94)
DDR_D15: length 20.1
  TOP w0.121: U5.M1 54.74,96.34 56.26,96.34 56.39,96.21 56.39,95.99 56.26,95.86 55.88,95.86 55.75,95.73 55.75,95.35 55.88,95.22 56.9,95.22 57.02,95.35 57.02,95.61 57.15,95.73 60.71,95.73 60.83,95.86 60.83,96.11 60.71,96.24 59.44,96.24 59.31,96.37 59.31,96.62 59.44,96.75 60.71,96.75 60.83,96.88 60.83,97.13 60.71,97.26 59.44,97.26 59.31,97.38 59.31,97.64 59.44,97.76 61.42,97.76 U12.A3
DDR_DQM0: length 23.3
  TOP w0.121: v1(57.53,96.29) 57.1,96.29 56.65,96.74 53.52,96.74 U5.M2 ; v1(66.9,93.09) U12.E7
  BOTTOM w0.121: v1(57.53,96.29) 57.15,96.29 57.02,96.16 57.02,94.72 57.15,94.59 57.91,94.59 58.04,94.72 58.04,96.75 58.17,96.88 62.1,96.88 63.37,95.61 63.37,94.08 64.14,93.32 64.14,92.43 64.26,92.3 66.29,92.3 66.42,92.43 66.42,92.96 66.55,93.09 v1(66.9,93.09)
DDR_DQM1: length 20.2
  TOP w0.121: U12.D3 62.9,93.89 61.4,93.89 60.83,93.32 59.18,93.32 59.05,93.45 59.05,93.7 59.18,93.83 60.71,93.83 60.83,93.95 60.83,94.21 60.71,94.34 59.18,94.34 59.05,94.46 59.05,94.72 59.18,94.84 60.71,94.84 60.83,94.97 60.83,95.22 60.71,95.35 58.17,95.35 58.04,95.22 58.04,94.46 57.91,94.34 53.52,94.34 U5.J2
